# Altium PCB waffling60-SE.PcbDoc (part 1 of 2)
Units mm, origin at the board's own origin, x right, y up, seen from the top; angles counter-clockwise.
Board outline 283.9 x 96.45 mm, 2 copper layers (Component Side, Bottom Layer), stack 1.571 mm thick; 173 components, 117 nets, 830 pads, 130 vias.
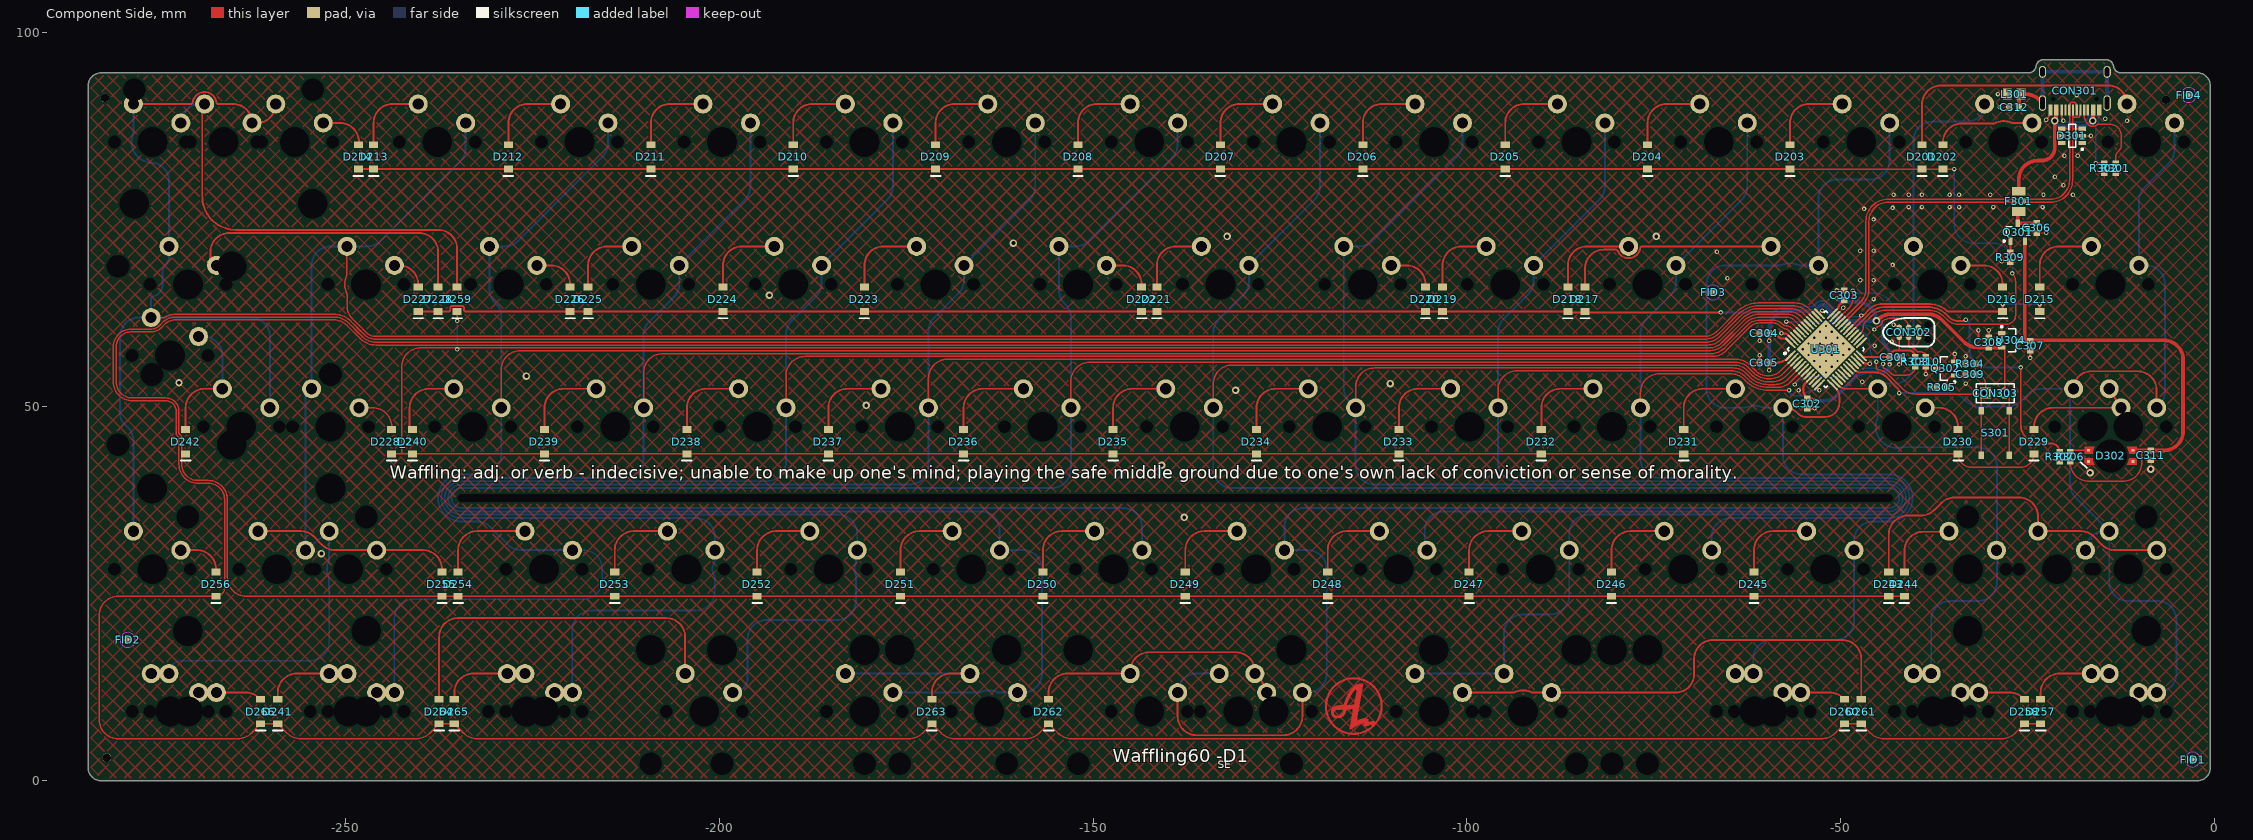
[diagram p0: Component Side view]
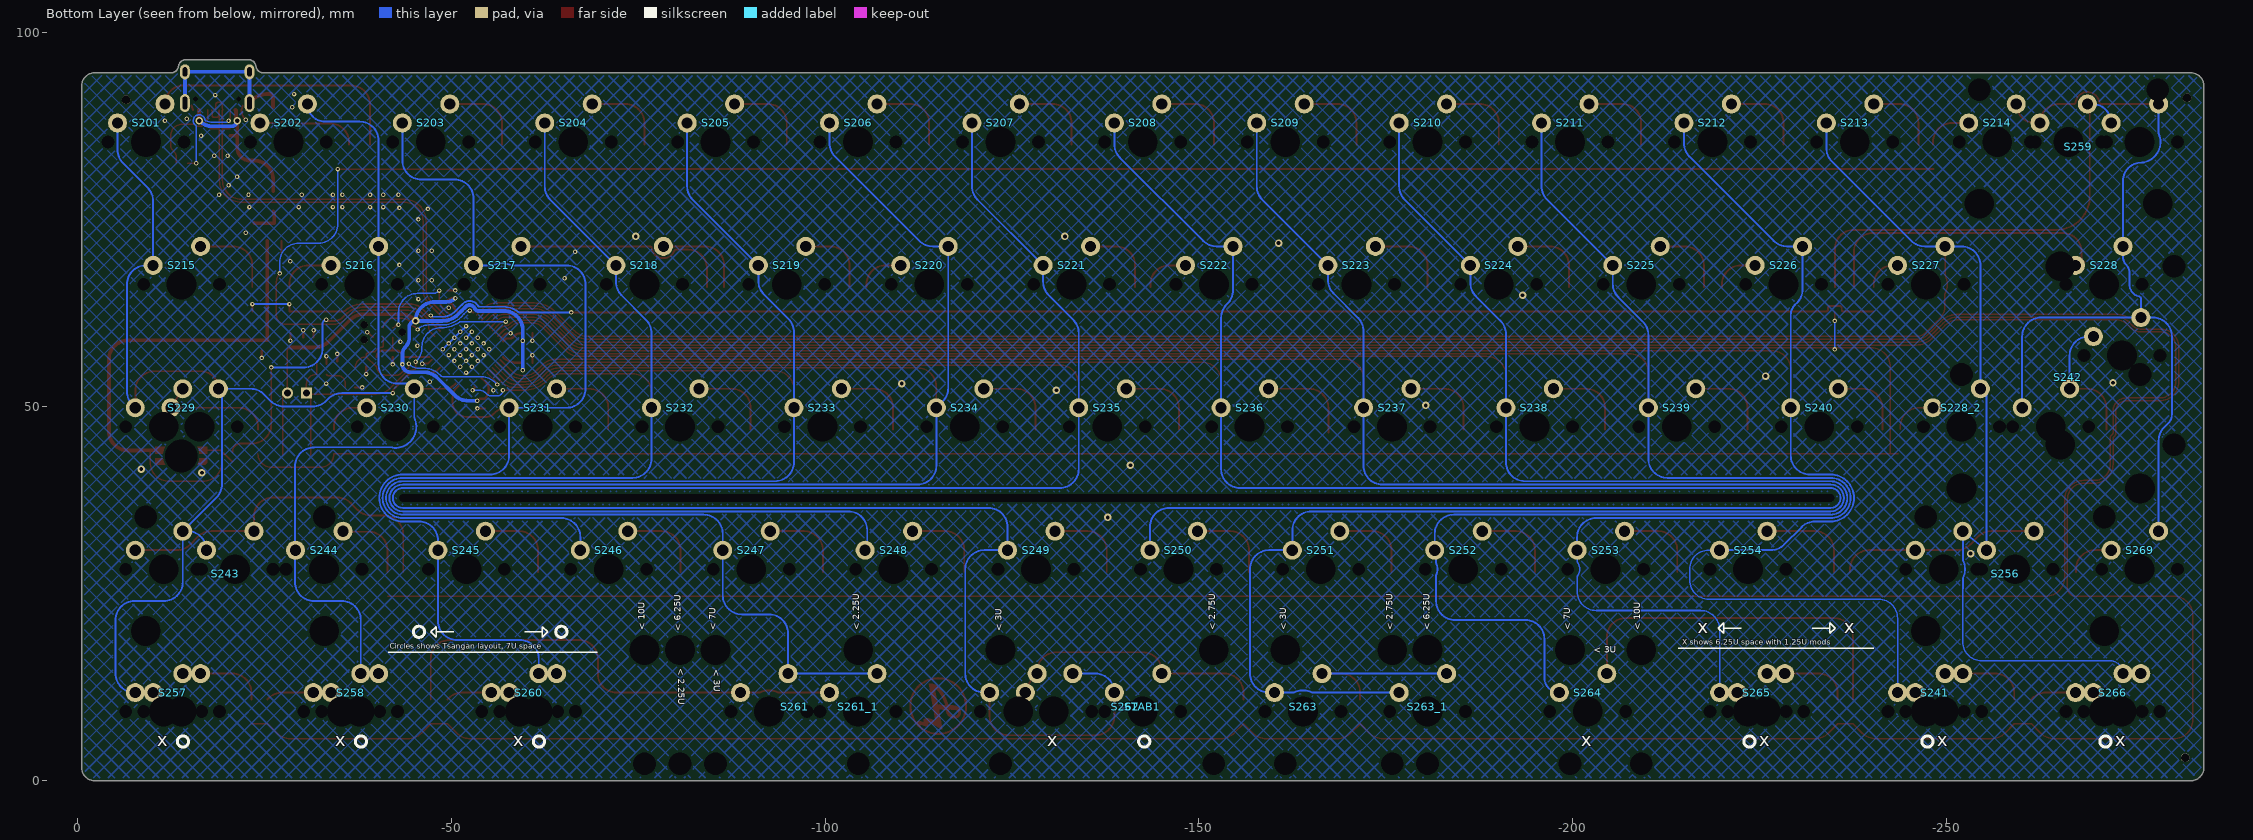
[diagram p1: Bottom Layer view, seen from below]
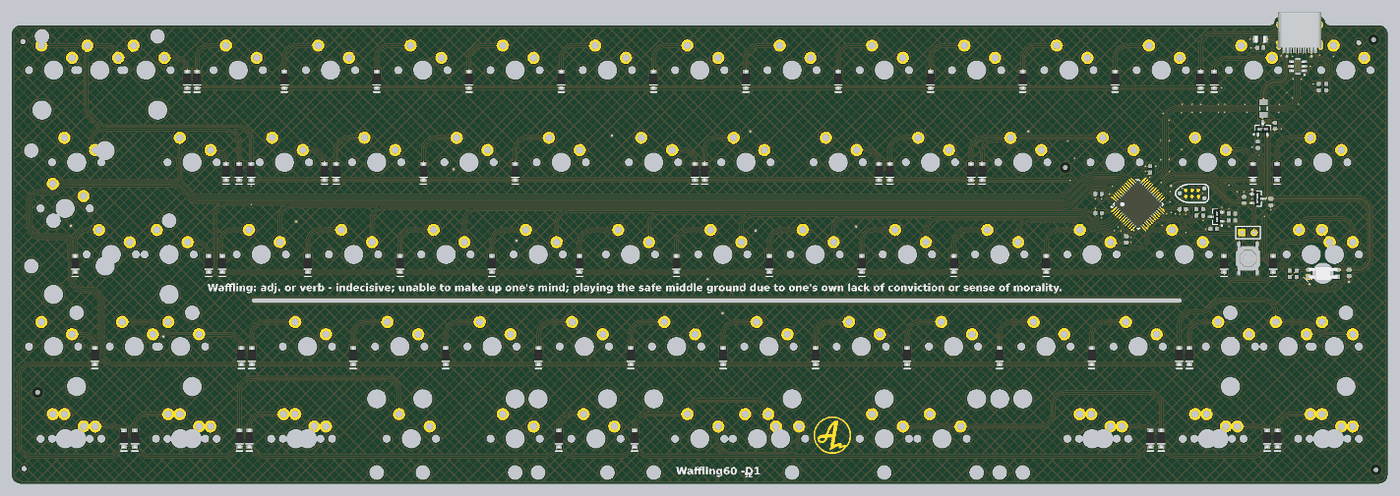
[diagram p3: 3D render of the assembled board from above, using the file's embedded part models]

## Layer stack, top to bottom
Top Solder: solder mask 0.0102, Solder Resist, Dk 3.5
Component Side: signal copper 0.0356
Dielectric 1: core 1.5, FR-4, Dk 4.2
Bottom Layer: signal copper 0.0356
Solder Side: solder mask 0.0102, Solder Resist, Dk 3.5

## Board outline
-284.45,1.715 -284.45,92.915 cw(c-282.7,92.915) -282.7,94.665 -24.85,94.665 ccw(c-24.85,95.665) -23.858,95.54 cw(c-22.866,95.415) -22.866,96.415 -14.484,96.415 cw(c-14.484,95.415) -13.492,95.54 ccw(c-12.5,95.665) -12.5,94.665 -2.3,94.665 cw(c-2.3,92.915) -0.55,92.915 -0.55,1.715 cw(c-2.3,1.715) -2.3,-0.035 -282.7,-0.035 cw(c-282.7,1.715)

## Design rules (kind name [scope] priority, off if disabled: settings)
BoardOutlineClearance [All] p1: gap=0.254 ignorepadtopadclearanceinfootprint=FALSE except(0: Arc-SplitContinuation Track-SplitContinuation SMDPad-SplitContinuation THPad-SplitContinuation Via-SplitContinuation Fill-SplitContinuation Poly-SplitContinuation Region-SplitContinuation Text-SplitContinuation)
Clearance [All] p1: gap=0.254 ignorepadtopadclearanceinfootprint=FALSE except(0: Arc-Hole Track-Hole SMDPad-Hole THPad-Hole Via-Hole Fill-Hole Poly-Hole Region-Hole Text-Hole; 0.18: Arc-Arc Arc-Track Arc-SMDPad Arc-THPad Arc-Via Arc-Fill Arc-Poly Arc-Region Arc-Text Track-Track Track-SMDPad Track-THPad Track-Via Track-Fill Track-Poly Track-Region Track-Text; 0.2: SMDPad-SMDPad SMDPad-THPad SMDPad-Via SMDPad-Fill SMDPad-Poly SMDPad-Region SMDPad-Text)
ComponentClearance [InComponent('No Component') And OnLayer('Component Side')] p1: gap=0.254 collisioncheckmode=3 verticalgap=0.254 showdistances=FALSE
DiffPairsRouting DiffPairsRouting_USB [InDifferentialPairClass('All Differential Pairs')] p1: maxlimit=0.254 minlimit=0.203 mostfreqgap=0.203 toplayer_minwidth=0.152 toplayer_maxwidth=0.381 toplayer_prefwidth=0.152 bottomlayer_minwidth=0.152 bottomlayer_maxwidth=0.381 bottomlayer_prefwidth=0.152 maxuncoupledlength=12.7
DiffPairsRouting [All] p2: maxlimit=0.254 minlimit=0.254 mostfreqgap=0.254 toplayer_minwidth=0.381 toplayer_maxwidth=0.381 toplayer_prefwidth=0.381 bottomlayer_minwidth=0.381 bottomlayer_maxwidth=0.381 bottomlayer_prefwidth=0.381 maxuncoupledlength=12.7
HoleSize [All] p1: absolutevalues=TRUE maxlimit=20 minlimit=0.025 maxpercent=80.000 minpercent=20.000
MatchedLengths MatchedLengths_USB_DiffPairs_1 [All] p1: tolerance=0.127 checknetsindiffpair=TRUE checkdiffpairvsdiffpair=FALSE checkxsignals=FALSE checkothers=FALSE
MatchedLengths MatchedLengths_USB_DiffPairs [All] p2: tolerance=0.127 checknetsindiffpair=TRUE checkdiffpairvsdiffpair=FALSE checkxsignals=FALSE checkothers=FALSE
PolygonConnect PolygonConnect_1 [All vs IsVia] p1: connectstyle=Direct reliefconductorwidth=0.254 reliefentries=4 polygonreliefangle="90 Angle" airgapwidth=0.254
PolygonConnect [All] p2: connectstyle=Relief reliefconductorwidth=0.254 reliefentries=4 polygonreliefangle="90 Angle" airgapwidth=0.254
RoutingVias [All] p1: holewidth=0.711 width=1.27 viastyle="Through Hole" minholewidth=0.711 minwidth=1.27 maxholewidth=0.711 maxwidth=1.27
SolderMaskExpansion [All] p1: expansion=0.102 istentingtop=FALSE
Width [All] p1: maxlimit=0.508 minlimit=0.203 preferedwidth=0.254 minimp=50.000000 maximp=50.000000 favimp=50.000000
27 further rules are at their usual default settings.

## Classes and differential pairs
component class Designator: C301 C302 C303 C304 C305 C306 C307 C308 C309 C310 C311 C312 CON301 CON302 CON303 D301 D302 F301 L301 Q301 Q302 R301 R302 R303 R304 R305 R306 R307 R309 S301 U301 U304
component class 1_waffling60-SE_top: FID1 FID2 FID3 FID4
differential pair D: +D_P -D_N

## Components (designator, comment, footprint, x,y, rotation, side; value= is the part's Value field where it differs from the comment)
C301 "" C0603[1608] -42.799,56.642 r180 top value=0.1uF
C302 "" C0603[1608] -54.483,50.419 r90 top value=0.1uF
C303 "" C0603[1608] -49.53,64.897 r270 top value=0.1uF
C304 "" C0603[1608] -60.198,59.817 r0 top value=0.1uF
C305 "" C0603[1608] -60.198,55.88 r0 top value=0.1uF
C306 "" C0603[1608] -23.749,73.914 r90 top value=4.7uF
C307 "" C0603[1608] -24.638,58.166 r90 top value=1uF
C308 "" C0603[1608] -30.169,58.589 r270 top value=1uF
C309 "" C0603[1608] -32.639,54.356 r180 top value=4.7uF
C310 "" C0603[1608] -38.608,56.007 r270 top value=470nF
C311 "" C0603[1608] -8.5,43.5 r90 top value=0.1uF
C312 "" C0603[1608] -26.797,90.043 r0 top value=0.1uF
CON301 "TYPE-C-31-M-12" TYPE-C-31-M-12 -18.675,89.695 r180 top locked
CON302 "TC2030-IDC" TC2030-IDC-NL -40.894,59.944 r0 top
CON303 "Header 2" HDR1X2 -30.607,51.816 r0 top
D201 "Diode" SOD-123 -39.116,83.415 r90 top
D202 "Diode" SOD-123 -36.322,83.415 r90 top
D203 "Diode" SOD-123 -56.769,83.415 r90 top
D204 "Diode" SOD-123 -75.819,83.415 r90 top
D205 "Diode" SOD-123 -94.869,83.415 r90 top
D206 "Diode" SOD-123 -113.919,83.415 r90 top
D207 "Diode" SOD-123 -132.969,83.415 r90 top
D208 "Diode" SOD-123 -152.019,83.415 r90 top
D209 "Diode" SOD-123 -171.069,83.415 r90 top
D210 "Diode" SOD-123 -190.119,83.415 r90 top
D211 "Diode" SOD-123 -209.169,83.415 r90 top
D212 "Diode" SOD-123 -228.219,83.415 r90 top
D213 "Diode" SOD-123 -246.253,83.415 r90 top
D214 "Diode" SOD-123 -248.285,83.415 r90 top
D215 "Diode" SOD-123 -23.368,64.365 r90 top
D216 "Diode" SOD-123 -28.321,64.365 r90 top
D217 "Diode" SOD-123 -84.201,64.365 r90 top
D218 "Diode" SOD-123 -86.487,64.365 r90 top
D219 "Diode" SOD-123 -103.251,64.365 r90 top
D220 "Diode" SOD-123 -105.537,64.365 r90 top
D221 "Diode" SOD-123 -141.478,64.365 r90 top
D222 "Diode" SOD-123 -143.51,64.365 r90 top
D223 "Diode" SOD-123 -180.594,64.365 r90 top
D224 "Diode" SOD-123 -199.517,64.365 r90 top
D225 "Diode" SOD-123 -217.551,64.365 r90 top
D226 "Diode" SOD-123 -219.964,64.365 r90 top
D227 "Diode" SOD-123 -240.284,64.365 r90 top
D228 "Diode" SOD-123 -237.617,64.365 r90 top
D228_2 "Diode" SOD-123 -243.84,45.315 r90 top
D229 "Diode" SOD-123 -24.13,45.315 r90 top
D230 "Diode" SOD-123 -34.29,45.315 r90 top
D231 "Diode" SOD-123 -70.993,45.315 r90 top
D232 "Diode" SOD-123 -90.043,45.315 r90 top
D233 "Diode" SOD-123 -109.093,45.315 r90 top
D234 "Diode" SOD-123 -128.143,45.315 r90 top
D235 "Diode" SOD-123 -147.32,45.315 r90 top
D236 "Diode" SOD-123 -167.32,45.315 r90 top
D237 "Diode" SOD-123 -185.42,45.315 r90 top
D238 "Diode" SOD-123 -204.343,45.315 r90 top
D239 "Diode" SOD-123 -223.393,45.315 r90 top
D240 "Diode" SOD-123 -241.046,45.315 r90 top
D241 "Diode" SOD-123 -259.08,9.215 r90 top
D242 "Diode" SOD-123 -271.399,45.315 r90 top
D243 "Diode" SOD-123 -43.561,26.265 r90 top
D244 "Diode" SOD-123 -41.468,26.265 r90 top
D245 "Diode" SOD-123 -61.595,26.265 r90 top
D246 "Diode" SOD-123 -80.645,26.265 r90 top
D247 "Diode" SOD-123 -99.695,26.265 r90 top
D248 "Diode" SOD-123 -118.618,26.265 r90 top
D249 "Diode" SOD-123 -137.668,26.265 r90 top
D250 "Diode" SOD-123 -156.718,26.265 r90 top
D251 "Diode" SOD-123 -175.768,26.265 r90 top
D252 "Diode" SOD-123 -194.945,26.265 r90 top
D253 "Diode" SOD-123 -213.995,26.265 r90 top
D254 "Diode" SOD-123 -234.95,26.265 r90 top
D255 "Diode" SOD-123 -237.109,26.265 r90 top
D256 "Diode" SOD-123 -267.335,26.265 r90 top
D257 "Diode" SOD-123 -23.241,9.215 r90 top
D258 "Diode" SOD-123 -25.4,9.215 r90 top
D259 "Diode" SOD-123 -235.077,64.365 r90 top
D260 "Diode" SOD-123 -49.482,9.215 r90 top
D261 "Diode" SOD-123 -47.244,9.215 r90 top
D262 "Diode" SOD-123 -155.956,9.215 r90 top
D263 "Diode" SOD-123 -171.577,9.215 r90 top
D264 "Diode" SOD-123 -237.49,9.215 r90 top
D265 "Diode" SOD-123 -235.458,9.215 r90 top
D266 "Diode" SOD-123 -261.366,9.215 r90 top
D301 "SRV05" SOT-23-6 -19.05,86.233 r180 top
D302 "SK6812MINI-E" "SK6812MINI-E - shaped" -13.857,43.422 r0 top
F301 "Fuse Thermal" C1206[3216] -26.162,77.47 r90 top
FID1 "Plug" Fiducial_Nordic -2.921,2.794 r90 top
FID2 "Plug" Fiducial_Nordic -279.146,18.796 r90 top
FID3 "Plug" Fiducial_Nordic -67.056,65.278 r90 top
FID4 "Plug" Fiducial_Nordic -3.429,91.694 r90 top
L301 "Inductor" L0805 -26.797,91.821 r0 top
Q301 "PMOS-2" SOT-23-3 -26.304,73.353 r90 top
Q302 "2N7002 NMOS" SOT-23-3 -35.941,55.118 r180 top
R301 "Res1" R0603[1608] -13.208,81.915 r270 top value=5k1
R302 "Res1" R0603[1608] -14.732,81.915 r270 top value=5k1
R303 "Res1" R0603[1608] -40.005,56.007 r270 top value=10K
R304 "Res1" R0603[1608] -32.639,55.753 r180 top value=10K
R305 "Res1" R0603[1608] -36.449,52.578 r180 top value=100K
R306 "Res1" R0603[1608] -19.304,43.307 r90 top value=10K
R307 "Res1" R0603[1608] -20.701,43.307 r90 top value=470R
R309 "Res1" R0603[1608] -27.305,69.977 r270 top value=10K
S201 "MX" "MX-switch - switched pol" -9.15,85.415 r180 bottom locked
S202 "MX" MX-switch#1 -28.2,85.415 r180 bottom locked
S203 "MX" "MX-switch - switched pol" -47.25,85.415 r180 bottom locked
S204 "MX" "MX-switch - switched pol" -66.3,85.415 r180 bottom locked
S205 "MX" "MX-switch - switched pol" -85.35,85.415 r180 bottom locked
S206 "MX" "MX-switch - switched pol" -104.4,85.415 r180 bottom locked
S207 "MX" "MX-switch - switched pol" -123.45,85.415 r180 bottom locked
S208 "MX" "MX-switch - switched pol" -142.5,85.415 r180 bottom locked
S209 "MX" "MX-switch - switched pol" -161.55,85.415 r180 bottom locked
S210 "MX" "MX-switch - switched pol" -180.6,85.415 r180 bottom locked
S211 "MX" "MX-switch - switched pol" -199.65,85.415 r180 bottom locked
S212 "MX" "MX-switch - switched pol" -218.7,85.415 r180 bottom locked
S213 "MX" "MX-switch - switched pol" -237.75,85.415 r180 bottom locked
S214 "MX" MX-SWITCH -256.8,85.415 r180 bottom locked
S215 "MX" "MX-switch - switched pol" -13.912,66.365 r180 bottom locked
S216 "MX" MX-switch#1 -37.725,66.365 r180 bottom locked
S217 "MX" "MX-switch - switched pol" -56.775,66.365 r180 bottom locked
S218 "MX" "MX-switch - switched pol" -75.825,66.365 r180 bottom locked
S219 "MX" "MX-switch - switched pol" -94.875,66.365 r180 bottom locked
S220 "MX" MX-switch#1 -113.925,66.365 r180 bottom locked
S221 "MX" "MX-switch - switched pol" -132.975,66.365 r180 bottom locked
S222 "MX" MX-switch#1 -152.025,66.365 r180 bottom locked
S223 "MX" "MX-switch - switched pol" -171.075,66.365 r180 bottom locked
S224 "MX" "MX-switch - switched pol" -190.125,66.365 r180 bottom locked
S225 "MX" "MX-switch - switched pol" -209.175,66.365 r180 bottom locked
S226 "MX" MX-switch#1 -228.225,66.365 r180 bottom locked
S227 "MX" MX-switch#1 -247.275,66.365 r180 bottom locked
S228 "MX" "MX-switch - 1.5U" -271.087,66.365 r180 bottom locked
S228_2 "MX" MX-switch#2 -252.012,47.315 r180 bottom locked
S229 "MX" "MX-SWITCH - CAPS" -16.294,47.315 r180 bottom locked
S230 "MX" MX-switch#1 -42.487,47.315 r180 bottom locked
S231 "MX" "MX-switch - switched pol" -61.537,47.315 r180 bottom locked
S232 "MX" "MX-switch - switched pol" -80.587,47.315 r180 bottom locked
S233 "MX" "MX-switch - switched pol" -99.637,47.315 r180 bottom locked
S234 "MX" "MX-switch - switched pol" -118.687,47.315 r180 bottom locked
S235 "MX" "MX-SWITCH - SWITCHED POL" -137.737,47.315 r180 bottom locked
S236 "MX" "MX-SWITCH - SWITCHED POL" -156.787,47.315 r180 bottom locked
S237 "MX" "MX-switch - switched pol" -175.837,47.315 r180 bottom locked
S238 "MX" "MX-switch - switched pol" -194.887,47.315 r180 bottom locked
S239 "MX" "MX-switch - switched pol" -213.937,47.315 r180 bottom locked
S240 "MX" "MX-switch - switched pol" -232.987,47.315 r180 bottom locked
S241 "MX" "MX-SWITCH - 1U MOD-R" -247.274,9.215 r180 bottom locked
S242 "MX" "MX-switch - Enter - Rotated Stab" -263.95,47.315 r180 bottom locked
S243 "MX" "MX-SWITCH - LEFT SHIFT" -21.056,28.265 r180 bottom locked
S244 "MX" MX-switch#1 -32.962,28.265 r180 bottom locked
S245 "MX" "MX-switch - switched pol" -52.012,28.265 r180 bottom locked
S246 "MX" "MX-switch - switched pol" -71.062,28.265 r180 bottom locked
S247 "MX" "MX-switch - switched pol" -90.112,28.265 r180 bottom locked
S248 "MX" "MX-switch - switched pol" -109.162,28.265 r180 bottom locked
S249 "MX" "MX-switch - switched pol" -128.212,28.265 r180 bottom locked
S250 "MX" "MX-switch - switched pol" -147.262,28.265 r180 bottom locked
S251 "MX" "MX-switch - switched pol" -166.312,28.265 r180 bottom locked
S252 "MX" "MX-switch - switched pol" -185.362,28.265 r180 bottom locked
S253 "MX" "MX-switch - switched pol" -204.412,28.265 r180 bottom locked
S254 "MX" "MX-switch - switched pol" -223.462,28.265 r180 bottom locked
S256 "MX" "MX-SWITCH - RIGHT SHIFT" -259.18,28.265 r180 bottom locked
S257 "MX" "MX-SWITCH - 1.5U MOD-L" -13.912,9.215 r180 bottom locked
S258 "MX" "MX-SWITCH - 1U MOD-L" -37.724,9.215 r180 bottom locked
S259 "MX" "MX-switch - backspace" -266.325,85.415 r180 bottom locked
S260 "MX" "MX-SWITCH - 1.5U MOD-L" -61.537,9.215 r180 bottom locked
S261 "MX" "MX-SWITCH - L SPLIT SPACE_V2" -102.018,9.215 r0 bottom locked
S261_1 "MX" "MX-switch - 3U - rotated stab" -104.399,9.215 r180 bottom locked
S262 "MX" "MX-SWITCH - SPACE_V3" -142.499,9.215 r180 bottom locked
S263 "MX" "MX-SWITCH - R SPLIT SPACE_V2" -163.931,9.215 r0 bottom locked
S263_1 "MX" "MX-switch - 3U - rotated stab" -180.599,9.215 r180 bottom locked
S264 "MX" "MX-switch - switched pol" -202.031,9.215 r180 bottom locked
S265 "MX" "MX-SWITCH - 1.5U MOD-R" -223.462,9.215 r180 bottom locked
S266 "MX" "MX-SWITCH - 1.5U MOD-R" -271.087,9.215 r180 bottom locked
S269 "MX" MX-SWITCH -275.85,28.265 r180 bottom locked
S301 "SW-PB" "XKB Switch" -29.337,46.482 r270 top
STAB1 "Plug" "Stab 10U" -142.499,9.215 r0 bottom locked
U301 "STM32F072/F303_LQFP48" "STM32 - COMBO 7X7MM" -51.97,57.679 r45 top
U304 "XC6206P332MR" SOT-23-3 -27.263,58.871 r0 top

## Footprints (in the part's own frame and the unit in brackets; to place one, negate y for a bottom-side part, rotate by r counter-clockwise, add the part's x,y. Pads: shape width x height; smd on the part's side, far side on the other; paste and mask are expansions set on the pad)
C0603[1608] [mm] "Chip Resistor, 2-Leads, Body 1,57x0,80mm, IPC Medium Density"
  rect 0.8x0.85 smd: 1(-0.65,0) 2(0.65,0)
  body extent -0.83,-0.43 0.82,0.43, height 0.5
C1206[3216] [mm]
  rect 1.2x1.8 smd: 1(-1.35,0) 2(1.35,0)
  silkscreen extent -0.35,-0.8 0.35,0.8, body extent -1.6,-0.9 1.6,0.9, height 1.2
Fiducial_Nordic [mm]
  round 1 smd paste+0 mask+0.5: 0(0,0)
  Component Side keep-out circle w0.01: c0,0 r1
HDR1X2 [mm] "Connector; Header; 2 Position"
  rect 1.5x1.5 hole 0.9 mask+0.102: 1(0,0)
  round 1.5 hole 0.9 mask+0.102: 2(2.54,0)
  silkscreen extent -1.27,-1.27 3.81,1.27
L0805 [mm] "based on Sunlord-GZ2012D101TF_C1015 datasheet"
  rect 1.16x1.47 smd: 1(-0.92,0) 2(0.92,0)
  body extent -1.15,-0.72 1.15,0.72, height 1.02
MX-switch#1 [mm]
  round 2.54 hole 1.499 mask+0.102: 1(-3.81,2.54) 2(2.54,5.08)
  round 1 hole 1.702 unplated: ""(-5.08,0) ""(5.08,0)
  round 1 hole 3.988 unplated: ""(0,0)
MX-switch#2 [mm]
  round 2.54 hole 1.5 mask+0.102: 1(-3.81,2.54) 2(2.54,5.08)
  round 1 hole 1.7 unplated: ""(-5.08,0) ""(5.08,0)
  round 1 hole 4 unplated: ""(0,0)
MX-SWITCH [mm]
  round 2.54 hole 1.499 mask+0.102: 1(-3.81,2.54) 2(2.54,5.08)
  round 1 hole 1.702 unplated: ""(-5.08,0) ""(5.08,0)
  round 1 hole 3.988 unplated: ""(0,0)
"MX-switch - 1.5U" [mm]
  round 2.54 hole 1.5 mask+0.102: 1(-3.81,2.54) 2(2.54,5.08)
  round 1 hole 1.7 unplated: ""(-5.08,0) ""(5.08,0)
  round 1 hole 4 unplated: ""(0,0)
  round 1 on Mech14: ""(0,0)
"MX-SWITCH - 1.5U MOD-L" [mm]
  round 2.54 hole 1.499 mask+0.102: 1(-6.191,2.54) 1(-3.81,2.54) 2(0.159,5.08) 2(2.54,5.08)
  round 1 hole 1.702 unplated: ""(-7.461,0) ""(-5.08,0) ""(2.699,0) ""(5.08,0)
  round 1 on Mech14: ""(-4.763,0) ""(-2.381,0) ""(0,0) ""(4.763,0)
  round 1 hole 3.988 unplated: ""(-2.381,0) ""(0,0)
"MX-SWITCH - 1.5U MOD-R" [mm]
  round 2.54 hole 1.499 mask+0.102: 1(-3.81,2.54) 1(-1.429,2.54) 2(2.54,5.08) 2(4.921,5.08)
  round 1 hole 1.702 unplated: ""(-5.08,0) ""(-2.699,0) ""(5.08,0) ""(7.461,0)
  round 1 on Mech14: ""(-2.381,0) ""(0,0) ""(2.381,0) ""(4.763,0)
  round 1 hole 3.988 unplated: ""(0,0) ""(2.381,0)
"MX-SWITCH - 1U MOD-L" [mm]
  round 2.54 hole 1.499 mask+0.102: 1(-6.191,2.54) 1(-3.81,2.54) 2(0.159,5.08) 2(2.54,5.08)
  round 1 hole 1.702 unplated: ""(-7.461,0) ""(-5.08,0) ""(2.699,0) ""(5.08,0)
  round 1 hole 3.988 unplated: ""(-2.381,0) ""(0,0)
  round 1 on Mech14: ""(-2.381,0) ""(0,0) ""(2.381,0)
"MX-SWITCH - 1U MOD-R" [mm]
  round 2.54 hole 1.499 mask+0.102: 1(-3.81,2.54) 1(-1.429,2.54) 2(2.54,5.08) 2(4.921,5.08)
  round 1 hole 1.702 unplated: ""(-5.08,0) ""(-2.699,0) ""(5.08,0) ""(7.461,0)
  round 1 on Mech14: ""(-4.763,0) ""(-2.381,0) ""(0,0) ""(2.381,0)
  round 1 hole 3.988 unplated: ""(0,0) ""(2.381,0)
"MX-switch - 3U - rotated stab" [mil]
  round 100 hole 59 mask+4: 1(-150,100) 2(100,200)
  round 60 hole 120 unplated: ""(-750,-275) ""(750,-275)
  round 60 hole 157.01 unplated: ""(-750,325) ""(750,325)
  round 39.37 hole 67.01 unplated: ""(-200,0) ""(200,0)
  round 39.37 hole 157.01 unplated: ""(0,0)
  round 39.37 on Mech14: ""(0,0)
"MX-switch - backspace" [mil]
  round 100 hole 59 mask+4: 1(100,200) 1(225,100) 2(-150,100) 2(475,200)
  round 60 hole 157.01 unplated: ""(-470,-325) ""(470,-325)
  round 60 hole 120 unplated: ""(-470,275) ""(470,275)
  round 39.37 hole 67.01 unplated: ""(-200,0) ""(175,0) ""(200,0) ""(575,0)
  round 39.37 hole 157.01 unplated: ""(0,0) ""(375,0)
  round 39.37 on Mech14: ""(0,0) ""(375,0)
"MX-SWITCH - CAPS" [mm]
  round 2.54 hole 1.499 mask+0.102: 1(-8.572,2.54) 1(2.54,5.08) 2(-3.81,2.54) 2(-2.222,5.08)
  round 1 hole 1.702 unplated: ""(-9.842,0) ""(5.08,0)